# Altium PCB Scaffold.PcbDoc (part 2 of 3) (continued)
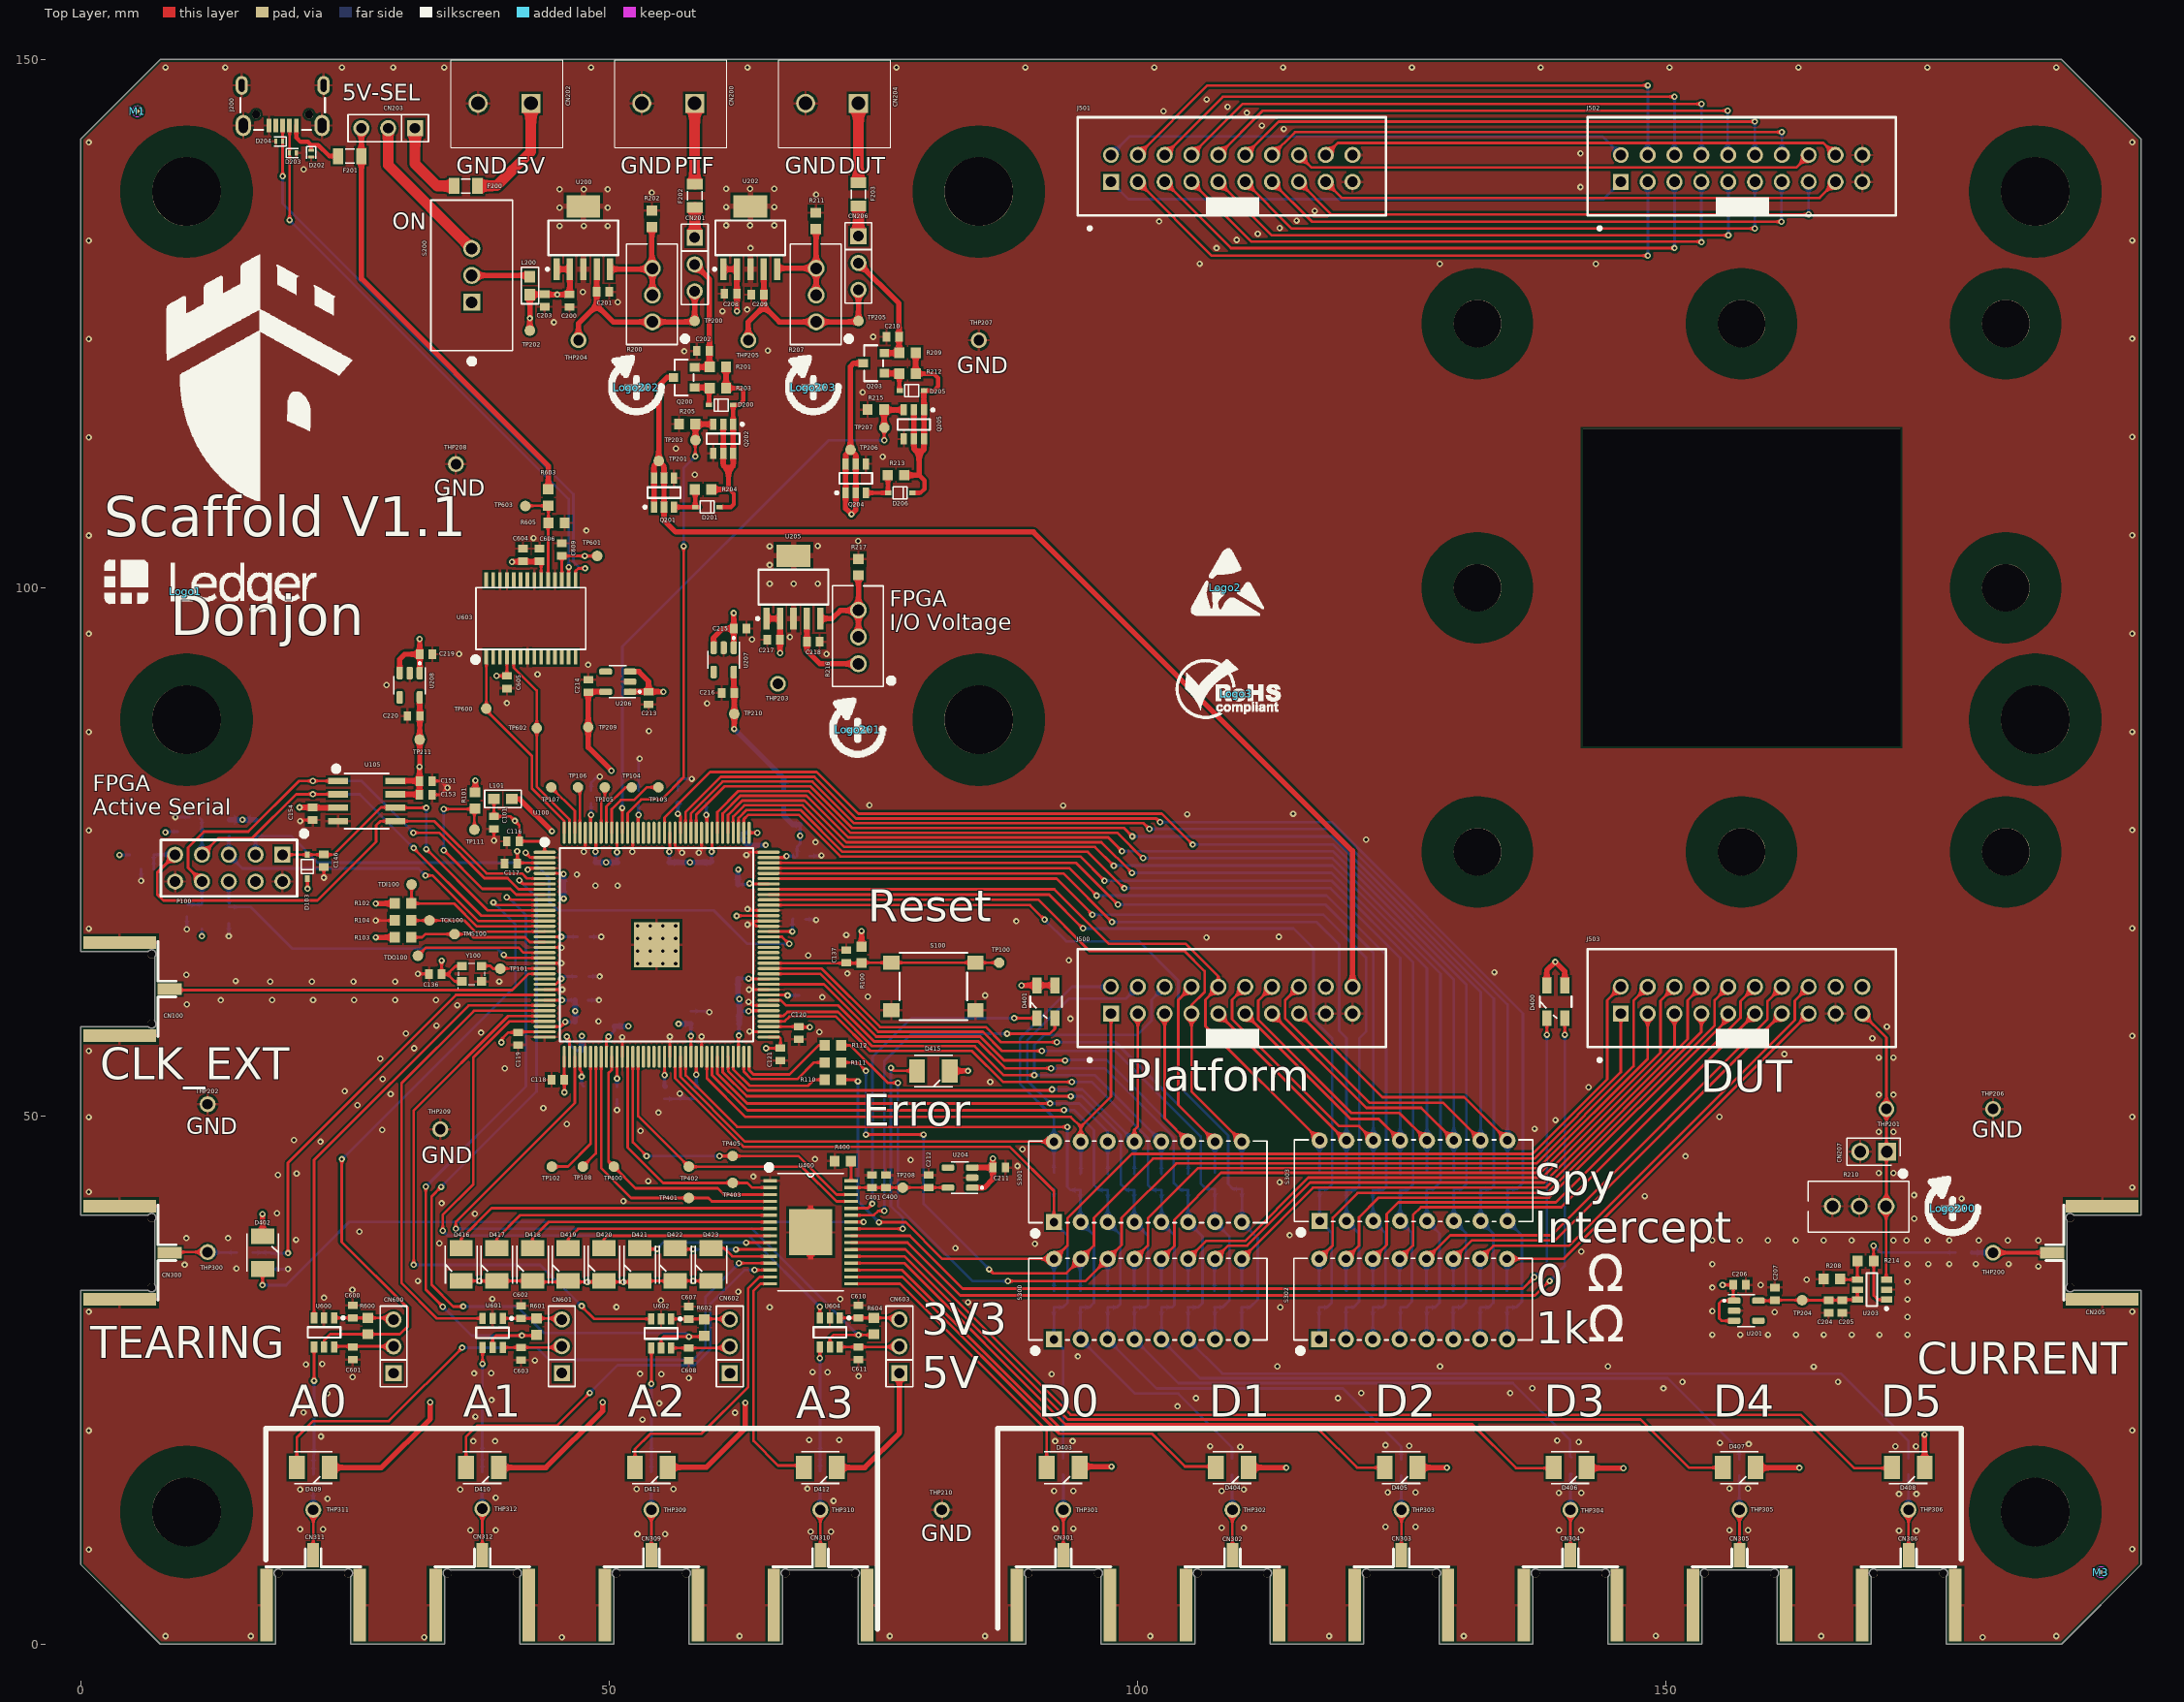
[diagram p0: Top Layer view]
## Nets (pads, with @x,y where several pads share a name; then routed paths per layer and width w, separated by ;. In a path a pad name is that pad's centre, name@x,y a point inside that pad or via, vN(x,y) a via of type N, cw(c..) or ccw(c..) an arc to the next point about the centre after c; other vN are vias at no path point) (continued)
3V3_OPA: C204.1 C205.1 C207.2 TP204.1 U201.5 U203.5 U203.6 | length 10.4
  Top Layer w0.25: U201.5@158.785,32.5 160.282,32.5 C207.2@160.335,32.553 TP204.1@162.934,32.553 162.941,32.547 C204.1@165.435,32.547 C205.1@166.735,32.547 166.788,32.6 U203.6@168.16,32.6 U203.5@168.16,33.55
ASD: C145.2 D102.1 P100.9 U100.6 U105.5 | length 51
  Top Layer w0.25: P100.9@8.92,74.72 7.231,73.031 7.231,70.969 7.8,70.4 22.4,70.4 27.95,75.95 27.95,77.5 28.345,77.895 U105.5@29.755,77.895 33.455,77.895 38.4,72.95 41.766,72.95 42.241,72.475 43.875,72.475 U100.6@43.9,72.45
  Bottom Layer w0.25: C145.2@6.897,73.35 6.9,73.353 6.9,74.693 D102.1@6.893,74.7 6.913,74.72 P100.9@8.92,74.72
CLK_25M: TP101.1 U100.23 Y100.3 | length 6.3
  Top Layer w0.25: Y100.3@37.8,64.4 38,64.2 38.75,64.2 39.025,63.925 TP101.1@39.7,63.925 39.725,63.95 U100.23@43.9,63.95
CLK_EXT: CN100.S1 U100.24 | length 36.2
  Top Layer w0.25: CN100.S1@8.411,62.01 8.521,61.9 40.85,61.9 42.4,63.45 U100.24@43.9,63.45
CONF_DONE: P100.3 R105.1 U100.92 | length 60
  Top Layer w0.25: U100.92@65.1,66.95 66.366,66.95 67.041,66.275 v1(67.05,66.275)
  Bottom Layer w0.25: P100.3@16.54,74.72 R105.1@16.54,76.475 19.9,76.475 22.4,73.975 42.875,73.975 44.325,72.525 44.325,70.275 45.15,69.45 59.9,69.45 63.075,66.275 v1(67.05,66.275)
DATA0: C143.2 D100.1 P100.7 U100.13 U105.2 | length 45.6
  Top Layer w0.25: P100.7@11.46,74.72 13.04,76.3 16.225,76.3 20.375,80.45 U105.2@24.445,80.45 ; v1(31.5,75.35) 37.9,68.95 U100.13@43.9,68.95
  Bottom Layer w0.25: C143.2@11.297,78.15 11.443,78.004 D100.1@11.443,76.9 ; D100.1@11.393,76.9 11.46,76.833 P100.7@11.46,74.72 ; v1(21.95,80.45) 26.4,80.45 v1(31.5,75.35)
DCLK: C146.2 D103.1 P100.1 U100.12 U105.6 | length 33.1
  Top Layer w0.25: P100.1@19.08,74.72 23.92,74.72 28.4,79.2 U105.6@29.855,79.2 ; U105.6@29.755,79.165 v1(32.685,79.165) ; v1(32.7,75.25) 38.5,69.45 U100.12@43.9,69.45
  Bottom Layer w0.25: v1(32.685,79.165) 32.685,75.265 v1(32.7,75.25)
DUT_D0: J503.2 R110.2 R312.2 S300.16 | length 106.8
  Top Layer w0.25: R110.2@72.254,53.425 73.4,53.425 v1(73.55,53.275) ; v1(75.55,39.925) 78.075,39.925 81.541,36.459 S300.16@92.11,36.459 93.4,37.748 93.4,40.325 99.475,46.4 137.4,46.4 144.475,53.475 144.475,60.925 J503.2@145.77,62.22
  Bottom Layer w0.25: v1(73.55,53.275) 73.55,41.925 v1(75.55,39.925) ; R312.2@92.1,33.425 92.11,33.435 S300.16@92.11,36.459
DUT_D1: J503.1 R111.2 R308.2 S300.15 | length 107.2
  Top Layer w0.25: R111.2@72.254,55.05 73.5,55.05 v1(74.3,54.25) ; v1(74.3,48.225) v1(79.775,48.225) ; v1(85.975,35.475) 86.35,35.1 93.292,35.1 S300.15@94.65,36.459 95.9,37.708 95.9,40.35 101.5,45.95 137.586,45.95 145.77,54.134 J503.1@145.77,59.68
  Bottom Layer w0.25: v1(74.3,48.225) v1(74.3,54.25) ; v1(79.775,48.225) 79.775,41.675 v1(85.975,35.475) ; R308.2@94.6,33.425 94.6,36.408 S300.15@94.65,36.459
DUT_D2: J503.4 R112.1 R306.2 S300.14 | length 111.8
  Top Layer w0.25: R112.1@72.254,56.675 72.825,56.675 76.375,53.125 v1(77.325,53.125) ; v1(87.75,34.35) 95.082,34.35 S300.14@97.19,36.459 98.5,37.768 98.5,40.325 103.675,45.5 137.773,45.5 146.975,54.702 146.975,60.885 J503.4@148.31,62.22
  Bottom Layer w0.25: v1(77.325,53.125) 77.325,41.45 84.425,34.35 v1(87.75,34.35) ; S300.14@97.19,36.459 97.19,33.435 R306.2@97.2,33.425
GND: C100.1 C101.1 C102.1 C103.1 C104.1 C105.1 C106.1 C107.1 C108.1 C109.1 C110.1 C111.1 C112.1 C113.1 C114.1 C115.1 C116.1 C117.1 C118.1 C119.1 C120.1 C121.1 C122.1 C123.1 C124.1 C125.1 C126.1 C127.1 C128.1 C129.1 C130.1 C131.1 C132.1 C133.1 C134.1 C135.1 C136.2 C137.1 C143.1 C144.1 C145.1 C146.1 C151.1 C153.1 C154.1 C200.1 C201.1 C202.1 C203.1 C204.2 C205.2 C206.1 C207.1 C208.1 C209.1 C210.1 C211.1 C212.1 C213.1 C214.1 C215.1 C216.1 C217.1 C218.1 C219.1 C220.1 C400.2 C401.2 C600.1 C601.1 C602.1 C603.1 C604.2 C605.2 C606.2 C607.1 C608.1 C609.2 C610.1 C611.1 CN100.G1 CN100.G2 CN200.2 CN202.2 CN204.2 CN205.G1 CN205.G2 CN207.2 CN300.G1 CN300.G2 CN301.G1 CN301.G2 CN302.G1 CN302.G2 CN303.G1 CN303.G2 CN304.G1 CN304.G2 CN305.G1 CN305.G2 CN306.G1 CN306.G2 CN309.G1 CN309.G2 CN310.G1 CN310.G2 CN311.G1 CN311.G2 CN312.G1 CN312.G2 D202.A D203.A D204.A J200.5 J200.Z1 J200.Z2 J200.Z3 J200.Z4 J500.17 J500.19 J501.19 J501.20 J502.19 J502.20 J503.17 P100.2 P100.10 Q201.4 Q202.4 Q204.4 Q205.4 R104.2 R108.1 R202.1 R205.1 R208.1 R210.2 R210.3 R211.1 R215.1 R217.1 R301.1 R338.1 R339.1 R348.1 R349.1 R400.2 R605.1 S100.2 S100.4 THP202.1 THP206.1 THP207.1 THP208.1 THP209.1 THP210.1 U100.2 U100.4 U100.19 U100.22 U100.27 U100.36 U100.41 U100.48 U100.57 U100.63 U100.74 U100.79 U100.82 U100.94 U100.95 U100.97 U100.108 U100.118 U100.123 U100.131 U100.140 U100.145 U105.4 U200.3 U200.6 U201.2 U202.3 U202.6 U203.2 U204.2 U205.3 U205.6 U206.2 U207.2 U208.2 U400.1 U400.33 U600.2 U601.2 U602.2 U603.7 U603.18 U603.21 U603.25 U603.26 U604.2 Y100.2 | length 71.9
  Top Layer w0.25: v1(20.75,77.906) 20.847,78.003 C154.1@21.95,78.003 ; v1(23,72.55) C146.1@23,73.553 ; v1(27.904,68.5) R104.2@29.729,68.5 ; v1(31.9,63.45) C136.2@32.953,63.45 ; C153.1@33.247,80.4 34.05,80.4 v1(34.7,81.05) 34.05,81.7 C151.1@33.247,81.7 ; v1(39.1,76.05) 39.1,75.9 C101.1@39.1,77.153 ; v1(42.1,74.9) 42.55,74.45 U100.2@43.9,74.45 ; v1(42.3,73.3) 42.3,73.2 42.55,73.45 U100.4@43.9,73.45 ; U100.27@43.9,61.95 v1(45.575,61.95) ; U100.22@43.9,64.45 v1(45.475,64.45) ; U100.19@43.925,65.925 U100.19@43.9,65.95 45.475,65.95 v1(45.5,65.925) ; v1(47.6,75) 47.75,75.15 U100.140@47.75,76.8 ; U100.48@51.25,55.6 v1(51.25,57.45) ; v1(52.2,75) 52.25,75.05 U100.131@52.25,76.8 ; U100.57@55.75,55.6 v1(55.75,57.5) ; U100.123@56.25,76.8 56.25,75.55 v1(56.9,74.9) ; v1(58.5,74.9) 58.75,75.15 U100.118@58.75,76.8 ; U100.63@58.75,55.6 v1(58.75,57.5) ; v1(63,74.7) 63.25,74.95 U100.108@65.1,74.95 ; v1@63.1,68.2 63.6,68.2 ; v1(63.1,69.575) 63.1,69.5 63.15,69.45 U100.97@65.1,69.45 ; v1(63.2,60.8) 63.475,60.525 63.488,60.525 63.563,60.45 U100.79@65.1,60.45 ; v1(63.25,61.95) U100.82@65.1,61.95 ; v1(63.3,58) 63.35,57.95 U100.74@65.1,57.95 ; U100.94@65.1,67.95 63.95,67.95 63.7,68.2 63.6,68.2 ; U100.95@65.1,68.45 63.85,68.45 63.6,68.2
  Bottom Layer w0.25: v1(5.7,72.25) 5.703,72.253 C145.1@5.703,73.35 ; v1(8.95,78.275) C143.1@10.253,78.275 ; v1(10.025,67.675) C144.1@10.025,68.828 ; v1(14,67) R108.1@14,68.225 ; R301.1@18,35.475 19.575,35.475 v1(19.6,35.5) ; C103.1@48,60.95 v1(49.05,60.95) ; C123.1@48.097,63.2 v1(49.1,63.2) ; C122.1@48.197,66.95 v1(49.25,66.95) ; C127.1@48.3,80.797 48.3,81.55 48.875,82.125 v1(49.125,82.125) ; v1(50.75,50.55) C125.1@50.75,51.553 ; C126.1@52.8,80.797 52.8,83.7 v1(52.9,83.8) ; C130.1@55.25,51.603 56.703,51.603 ; C133.1@56.5,80.797 56.5,81.675 56.725,81.9 v1(57.825,81.9) ; v1(56.7,52.1) 56.725,52.1 57.222,51.603 ; C107.1@57.75,59.897 59.297,59.897 59.5,59.694 v1(59.5,59.825) ; C131.1@58.25,51.603 57.222,51.603 ; C129.1@68.597,68.6 69.55,68.6 v1(69.6,68.55) ; C135.1@68.997,74.6 70.05,74.6 v1(70.1,74.65) ; 56.703,51.603 57.222,51.603 ; 56.703,51.603 56.731,51.575 56.756,51.6 57.225,51.6 57.222,51.603
  other v1: 32.498,0.623 45.525,0.623 180.025,0.623 8.025,0.75 16.1,0.75 62.35,0.75 76.575,0.75 85.575,0.75 101.225,0.75 118.152,0.75 130.9,0.75 164.737,0.75 186.975,0.75 149.075,0.775 0.75,8.95 194.175,8.975 52.675,10.4 55.3,10.4 69.075,10.625 71,10.625 172.1,10.725 173.75,10.725 36.875,10.775 39.275,10.775 139.925,10.775 142.025,10.775 156.05,10.775 157.8,10.775 20.75,10.875 22.925,10.875 92.225,10.925 93.95,10.925 107.975,11 110.075,11 123.5,11.1 126.325,11.1 71.25,13.55 23.35,13.75 39.275,13.85 172.1,14.2 173.75,14.2 139.9,14.3 142.025,14.3 123.7,14.35 126.325,14.35 92.125,14.5 93.95,14.5 107.975,14.5 20.75,14.625 35.9,14.625 110.075,14.625 52.6,14.675 56.1,14.675 68.775,14.7 156.05,14.725 157.8,14.725 109.75,18.675 171.75,18.7 173.7,18.7 106.9,18.725 125.75,18.75 123.5,18.825 157.875,18.925 155.15,19.05 141.775,19.125 37.15,19.2 39.2,19.2 92.225,19.2 93.875,19.2 139.75,19.25 68.95,19.325 71.775,19.325 22.725,19.65 0.75,20.2 194.175,20.225 53.15,21.25 37.35,21.525 61.925,21.9 21.075,21.925 103.8,22.5 54.75,22.775 38.875,23.1 105.55,23.275 119,23.275 23.35,23.725 121.2,23.75 135.3,23.75 149.8,24.2 137.4,24.225 151.6,24.8 166.325,24.8 57.55,25.175 25.725,25.275 73.625,25.35 54.95,25.55 91.9,25.55 52.925,25.575 37.225,25.625 38.85,25.65 70.675,25.725 69.25,25.75 164.025,26.25 113.25,26.275 128.65,26.275 144.55,26.275 21.3,26.475 22.85,26.5 42.975,26.85 94.375,27.225 154.425,29.275 157.064,29.275 159.704,29.275 162.343,29.275 164.982,29.275 167.621,29.275 170.261,29.275 172.9,29.275 172.9,30.95 160.325,31.425 0.75,31.45 194.175,31.475 154.425,31.506 65.2,31.875 113.525,31.875 50.7,31.9 83.975,32.35 54.9,32.525 172.9,32.625 71.875,32.65 38.95,32.675 23.025,32.775 62.225,33.35 25.7,33.525 154.425,33.737 159,34 172.9,34.3 31.9,34.375 163.35,34.5 14.725,35.55 185.277,35.75 9.825,35.9 154.425,35.969 172.9,35.975 174.875,35.975 176.862,35.975 179.375,35.975 182.475,35.975 142.025,37.15 82.775,37.475 90.3,37.9 33.925,37.925 154.425,38.2 157.036,38.2 159.679,38.2 162.321,38.2 164.964,38.2 167.607,38.2 171.575,38.2 172.815,38.2 174.8,38.2 176.862,38.2 179.65,38.2 182.4,38.2 185.277,38.2 20.375,38.275 9.975,38.425 13.925,38.425 114.425,38.7 26.375,39.025 173.55,40.275 37.3,40.725 18.575,40.775 34.15,41.725 51.35,41.925 178.025,42.175 148.025,42.4 173.525,42.5 0.75,42.8 194.175,43.225 113.475,43.725 53.7,43.825 63.65,44.25 18.65,44.4 20.425,44.55 170.175,44.575 171.575,44.575 88.65,45.25 78.55,45.825 69.5,45.9 151.9,46.175 89.125,46.825 22.675,47.55 20.175,47.7 170.175,48.475 171.575,48.475 52.975,48.575 28.525,48.675 137.6,48.775 46,49.225 139.575,49.6 0.75,49.875 155.1,49.9 194.175,49.9 54.675,50.3 43.775,50.725 26.175,51 170.175,52 171.575,52 29.325,52.075 24.975,52.35 142.725,52.7 86.075,53.2 28.575,53.475 40.125,54.5 28.35,55.425 170.175,55.525 171.575,55.525 161.25,55.85 0.75,56.15 31.55,56.4 169.575,57.35 194.175,57.575 30.775,57.8 37.875,57.875 69.9,57.925 170.95,58.45 33.65,58.55 49,58.95 93.675,59.2 35.625,60.475 10.025,60.55 13.25,60.95 18.105,60.975 21.985,60.975 25.865,60.975 29.745,60.975 33.625,60.975 70.175,61.225 74.5,61.275 85.6,61.4 17.913,62.7 21.857,62.7 25.801,62.7 29.745,62.7 39.6,62.725 14.65,62.775 9.975,63.35 72.55,63.475 133.8,63.6 93.515,64.725 68.85,65.175 106.54,66.875 113.4,66.95 72.45,67.125 0.75,67.725 194.175,67.75 63.1,68.1 88.55,68.425 48.7,71.8 50.8,71.8 46.95,72.85 69.525,75.9 121.65,76.15 0.75,77.028 194.175,77.053 104.725,78.55 114.75,78.6 92.975,79.375 74.65,79.4 0.75,86.331 194.175,86.356 53.775,86.425 59.275,89.05 40.325,89.075 28.925,90.775 43.225,91.8 48.025,92.7 35.8,93.725 70.575,93.725 63.525,95.1 67.125,95.325 0.75,95.634 194.175,95.659 65.2,100.375 67.475,100.375 69.75,100.375 65.2,102.15 65.2,103.925 69.75,103.95 73.575,104.4 42.85,104.7 0.75,104.937 194.175,104.962 47.85,105.4 58.125,110.7 75.9,112.4 56.325,113.175 0.75,114.241 194.175,114.266 74,118.5 57.125,122.375 65.025,122.45 0.75,123.544 194.175,123.569 75,123.75 44.775,125.125 60.725,126.175 63.075,126.325 50.825,127.025 47.525,128 128.625,130.65 143.4,130.65 105.9,130.675 63.4,132.15 107.5,132.15 0.75,132.847 194.175,132.872 109.4,132.925 111.4,133.5 113.475,134.05 45.325,134.25 47.6,134.25 49.875,134.25 61.075,134.3 63.35,134.3 65.625,134.3 102.075,134.675 115.075,134.75 116.8,135.675 45.325,135.988 49.875,135.988 61.075,136.038 65.625,136.038 69.6,137.225 54.05,137.4 45.325,137.725 47.6,137.725 49.875,137.725 61.075,137.775 63.35,137.775 65.625,137.775 141.95,137.925 21.1,139.6 141.95,141.125 0.75,142.15 194.175,142.175 113.875,143.425 111.8,143.75 110.375,144.95 102.475,145.1 108.55,145.525 106.55,146.225 8.025,149.25 13.675,149.25 24.725,149.25 29.562,149.25 34.4,149.25 48.3,149.25 63.1,149.25 77.2,149.25 89.397,149.25 101.594,149.25 113.792,149.25 125.989,149.25 138.186,149.25 150.383,149.25 162.581,149.25 174.778,149.25 186.975,149.25
  other v2: 52.7,64.4 53.9,64.4 55.1,64.4 56.3,64.4 52.7,65.6 53.9,65.6 55.1,65.6 56.3,65.6 52.7,66.8 53.9,66.8 55.1,66.8 56.3,66.8 52.7,68 53.9,68 55.1,68 56.3,68
IO0_DUT: R302.1 R312.1 R313.1 S300.1 S301.1 U100.58 | length 72.7
  Top Layer w0.25: U100.58@56.25,55.6 56.25,53.55 62.725,47.075 87.925,47.075 92.11,42.89 S301.1@92.11,39.94
  Bottom Layer w0.25: R313.1@92.1,43.075 92.1,39.95 S301.1@92.11,39.94 93.4,38.65 93.4,32.3 92.975,31.875 R312.1@92.1,31.875 92.1,28.849 S300.1@92.11,28.839 92.975,27.974 R302.1@92.975,17.575
IO1_DUT: R303.1 R308.1 R309.1 S300.2 S301.2 U100.60 | length 82.3
  Top Layer w0.25: U100.60@57.25,55.6 57.25,53.823 62.123,48.95 v1(93.375,48.95)
  Bottom Layer w0.25: v1(93.375,48.95) 93.375,43.275 93.675,42.975 R309.1@94.6,42.975 94.6,39.99 S301.2@94.65,39.94 95.9,38.69 95.9,32.3 95.475,31.875 R308.1@94.6,31.875 94.6,28.889 S300.2@94.65,28.839 99.789,23.7 103.875,23.7 108.975,18.6 R303.1@108.975,17.575
IO2_DUT: R306.1 R307.1 R310.1 S300.3 S301.3 U100.65 | length 95.6
  Top Layer w0.25: U100.65@59.75,55.6 59.75,53.854 63.086,50.518 93.025,50.518 v1(93.057,50.55)
  Bottom Layer w0.25: v1(93.057,50.55) 94,50.55 95.9,48.65 95.9,43.45 96.375,42.975 R307.1@97.2,42.975 97.2,39.95 S301.3@97.19,39.94 98.4,38.73 98.4,32.2 98.075,31.875 R306.1@97.2,31.875 97.2,28.848 S300.3@97.19,28.839 101.829,24.2 119.45,24.2 124.975,18.675 R310.1@124.975,17.475
IO3_DUT: R304.1 R305.1 R311.1 S300.4 S301.4 U100.67 | length 110.5
  Top Layer w0.25: U100.67@60.75,55.6 60.75,54.127 63.027,51.85 v1(93.7,51.85)
  Bottom Layer w0.25: v1(93.7,51.85) 94.75,51.85 98.45,48.15 98.45,43.5 98.975,42.975 R305.1@99.7,42.975 99.7,39.97 S301.4@99.73,39.94 101,38.67 101,32.1 100.775,31.875 R304.1@99.7,31.875 99.73,31.845 S300.4@99.73,28.839 103.869,24.7 135.55,24.7 140.975,19.275 140.975,17.775 R311.1@141.075,17.675
IO4_DUT: R314.1 R322.1 R323.1 S300.5 S301.5 U100.76 | length 122.5
  Top Layer w0.25: U100.76@65.1,58.95 66.616,58.95 67.066,59.4 71.468,59.4 74.718,56.15 84.35,56.15 87.3,53.2 v1(93.8,53.2)
  Bottom Layer w0.25: v1(93.8,53.2) 95.7,53.2 101,47.9 101,43.45 101.475,42.975 R323.1@102.3,42.975 102.3,39.97 S301.5@102.27,39.94 103.5,38.71 103.5,32.1 103.275,31.875 R322.1@102.3,31.875 102.3,28.868 S300.5@102.27,28.839 105.959,25.15 150.2,25.15 156.975,18.375 R314.1@156.975,17.475
IO5_DUT: R315.1 R320.1 R321.1 S300.6 S301.6 U100.80 | length 139.3
  Top Layer w0.25: U100.80@65.1,60.95 66.25,60.95 66.75,60.45 71.691,60.45 75.091,57.05 84.95,57.05 87.5,54.5 v1(91.825,54.5)
  Bottom Layer w0.25: v1(91.825,54.5) 96.9,54.5 103.45,47.95 103.45,43.65 104.125,42.975 R321.1@104.8,42.975 104.8,39.95 S301.6@104.81,39.94 106.175,38.575 106.175,32.275 105.775,31.875 R320.1@104.8,31.875 104.81,31.865 S300.6@104.81,28.839 108.049,25.6 166.6,25.6 173,19.2 R315.1@173,17.575
IO6_DUT: R318.1 R319.1 S300.7 S301.7 U100.85 | length 69.2
  Top Layer w0.25: U100.85@65.1,63.45 69.964,63.45 75.464,57.95 85.375,57.95 87.175,56.15 v1(90.95,56.15)
  Bottom Layer w0.25: v1(90.95,56.15) 97.9,56.15 106,48.05 106,43.6 106.525,43.075 R319.1@107.35,43.075 S301.7@107.35,39.94 108.725,38.565 108.725,32.525 108.075,31.875 R318.1@107.3,31.875 107.35,31.825 S300.7@107.35,28.839
IO7_DUT: R316.1 R317.1 S300.8 S301.8 U100.98 | length 80.4
  Top Layer w0.25: U100.98@65.1,69.95 89.85,69.95 v1(91.225,68.575)
  Bottom Layer w0.25: v1(91.225,68.575) 93.275,66.525 100.15,66.525 103.875,62.8 103.875,52.875 108.6,48.15 108.6,43.55 109.075,43.075 R317.1@109.9,43.075 109.9,39.95 S301.8@109.89,39.94 111.4,38.43 111.4,32.6 110.675,31.875 R316.1@109.9,31.875 109.89,31.865 S300.8@109.89,28.839
IO8_DUT: R334.1 R335.1 S302.1 S303.1 U100.100 | length 93.9
  Top Layer w0.25: U100.100@65.1,70.95 91.65,70.95 v1(94.85,67.75)
  Bottom Layer w0.25: v1(94.85,67.75) 94.875,67.725 114.8,67.725 116.675,65.85 116.675,59.1 118.45,57.325 118.45,43.55 117.975,43.075 R335.1@117.2,43.075 117.26,43.015 S303.1@117.26,40.05 118.4,38.91 118.4,32.3 117.975,31.875 R334.1@117.2,31.875 117.2,28.849 S302.1@117.21,28.839
IO9_DUT: R332.1 R333.1 S302.2 S303.2 U100.103 | length 98.4
  Top Layer w0.25: U100.103@65.1,72.45 92.35,72.45 v1(95.75,69.05)
  Bottom Layer w0.25: v1(95.75,69.05) 117.6,69.05 121.65,65 121.65,57.975 121.025,57.35 121.025,43.425 120.575,42.975 R333.1@119.8,42.975 S303.2@119.8,40.05 121,38.85 121,32.4 120.475,31.875 R332.1@119.8,31.875 119.75,31.825 S302.2@119.75,28.839
IO10_DUT: R330.1 R331.1 S302.3 S303.3 U100.105 | length 100.8
  Top Layer w0.25: U100.105@65.1,73.45 93.55,73.45 v1(96.15,70.85)
  Bottom Layer w0.25: v1(96.15,70.85) 117.9,70.85 123.55,65.2 123.55,43.3 123.225,42.975 R331.1@122.3,42.975 122.3,40.09 S303.3@122.34,40.05 123.5,38.89 123.5,32.2 123.175,31.875 R330.1@122.3,31.875 122.3,28.849 S302.3@122.29,28.839
IO11_DUT: R326.1 R327.1 S302.4 S303.4 U100.110 | length 108.7
  Top Layer w0.25: U100.110@62.725,76.825 U100.110@62.75,76.8 62.75,78.075 63.171,78.496 67.95,78.496 71.896,74.55 94.6,74.55 v1(96.9,72.25)
  Bottom Layer w0.25: v1@96.75,72.4 v1(96.9,72.25) 118.4,72.25 126.1,64.55 126.1,43.5 125.575,42.975 R327.1@124.9,42.975 124.88,42.955 S303.4@124.88,40.05 126,38.93 126,32.4 125.475,31.875 R326.1@124.9,31.875 124.9,28.909 S302.4@124.83,28.839
IO12_DUT: R350.1 R351.1 S302.5 S303.5 U100.112 | length 112.5
  Top Layer w0.25: U100.112@61.75,76.8 61.75,78.348 62.798,79.396 68.323,79.396 72.269,75.45 96,75.45 v1(97.775,73.675)
  Bottom Layer w0.25: v1@97.775,73.7 118.45,73.7 128.7,63.45 128.7,43.75 128.025,43.075 R351.1@127.4,43.075 127.4,40.07 S303.5@127.42,40.05 128.6,38.87 128.6,32.3 128.175,31.875 R350.1@127.4,31.875 127.4,28.869 S302.5@127.37,28.839
IO13_DUT: R346.1 R347.1 S302.6 S303.6 U100.114 | length 116.2
  Top Layer w0.25: U100.114@60.75,76.8 60.75,78.621 62.425,80.296 68.696,80.296 72.642,76.35 74.173,76.35 97.25,76.35 v1(98.55,75.05)
  Bottom Layer w0.25: v1(98.55,75.05) 118.525,75.05 131.15,62.425 131.15,43.55 130.675,43.075 R347.1@129.96,43.075 S303.6@129.96,40.05 131.1,38.91 131.1,32.3 130.675,31.875 R346.1@129.9,31.875 129.9,28.849 S302.6@129.91,28.839
IO14_DUT: R342.1 R343.1 S302.7 S303.7 U100.119 | length 121.4
  Top Layer w0.25: U100.119@58.25,76.8 58.25,78.5 60.946,81.196 69.068,81.196 73.014,77.25 98.725,77.25 v1(99.525,76.45)
  Bottom Layer w0.25: v1(99.525,76.45) 118.398,76.45 133.75,61.098 133.75,43.4 133.425,43.075 R343.1@132.5,43.075 S303.7@132.5,40.05 133.7,38.85 133.7,32.3 133.275,31.875 R342.1@132.5,31.875 132.45,31.825 S302.7@132.45,28.839
IO15_DUT: R340.1 R341.1 S302.8 S303.8 U100.121 | length 125.6
  Top Layer w0.25: U100.121@57.25,76.8 57.25,78.773 60.573,82.096 69.441,82.096 73.387,78.15 101.8,78.15 v1(102.15,77.8)
  Bottom Layer w0.25: v1(102.15,77.8) 118.411,77.8 136.5,59.711 136.5,43.65 135.925,43.075 R341.1@135,43.075 135.04,43.035 S303.8@135.04,40.05 136.4,38.69 136.4,32.4 135.875,31.875 R340.1@135,31.875 135,28.849 S302.8@134.99,28.839
LED0: D416.1 U400.5 | length 31.3
  Top Layer w0.25: D416.1@36,37.475 36,38.375 38.875,41.25 U400.5@65.255,41.25
LED1: D417.1 U400.6 | length 27.7
  Top Layer w0.25: D417.1@39.379,37.475 39.379,38.379 41.6,40.6 U400.6@65.255,40.6
LED2: D418.1 U400.7 | length 24.1
  Top Layer w0.25: D418.1@42.757,37.475 42.757,38.432 44.275,39.95 U400.7@65.255,39.95
LED3: D419.1 U400.8 | length 20.4
  Top Layer w0.25: D419.1@46.136,37.475 46.136,38.361 47.075,39.3 U400.8@65.255,39.3
LED4: D420.1 U400.9 | length 16.7
  Top Layer w0.25: D420.1@49.514,37.475 49.514,38.314 49.85,38.65 U400.9@65.255,38.65
LED5: D421.1 U400.10 | length 12.6
  Top Layer w0.25: D421.1@52.893,37.475 52.968,37.4 v1(54.525,37.4) ; v1(62.975,38) U400.10@65.255,38
  Bottom Layer w0.25: v1(54.525,37.4) 55.125,38 v1(62.975,38)
LED6: D422.1 U400.11 | length 9
  Top Layer w0.25: D422.1@56.271,37.475 56.371,37.375 v1(57.95,37.375) ; v1(62,37.35) U400.11@65.255,37.35
  Bottom Layer w0.25: v1(57.95,37.375) 57.975,37.35 v1(62,37.35)
LED7: D423.1 U400.12 | length 5.9
  Top Layer w0.25: D423.1@59.65,37.475 60.9,37.475 61.675,36.7 U400.12@65.255,36.7
LED8: D409.1 U400.13 | length 58.1
  Top Layer w0.25: D409.1@20.45,16.9 20.45,19.575 21.975,21.1 29.15,21.1 v1(36.1,28.05) ; v1(62.3,36.05) U400.13@65.255,36.05
  Bottom Layer w0.25: v1(36.1,28.05) 43.175,28.05 44.325,26.9 57.95,26.9 59.125,28.075 59.125,32.875 v1(62.3,36.05)
LED9: D410.1 U400.14 | length 40.5
  Top Layer w0.25: D410.1@36.45,16.9 36.45,19.6 37.5,20.65 45.05,20.65 v1(48.175,23.775) ; v1(63.775,35.4) U400.14@65.255,35.4
  Bottom Layer w0.25: v1(48.175,23.775) 50.8,26.4 58.086,26.4 59.575,27.889 59.575,32.15 62.825,35.4 v1(63.775,35.4)
LED10: D411.1 U400.15 | length 26.6
  Top Layer w0.25: D411.1@52.45,16.9 52.45,18.45 53.9,19.9 58.75,19.9 63.15,24.3 63.15,33.65 64.25,34.75 U400.15@65.255,34.75
LED11: D412.1 U400.16 | length 21.8
  Top Layer w0.25: U400.16@65.255,34.1 64.325,34.1 63.675,33.45 63.675,19.225 66,16.9 D412.1@68.45,16.9
LED12: D403.1 U400.17 | length 27.7
  Top Layer w0.25: U400.17@72.9,34.1 77.525,34.1 91.425,20.2 D403.1@91.425,16.8
LED13: D404.1 U400.18 | length 42
  Top Layer w0.25: U400.18@72.9,34.75 77.764,34.75 92.614,19.9 101.4,19.9 104.5,16.8 D404.1@107.45,16.8
LED14: D405.1 U400.19 | length 58.2
  Top Layer w0.25: U400.19@72.9,35.4 77.75,35.4 92.8,20.35 117.15,20.35 120.8,16.7 D405.1@123.4,16.7
LED15: D406.1 U400.20 | length 74.7
  Top Layer w0.25: U400.20@72.9,36.05 77.95,36.05 93.2,20.8 131.7,20.8 135.85,16.65 139.25,16.65 D406.1@139.5,16.9
LED16: D407.1 U400.21 | length 90.9
  Top Layer w0.25: U400.21@72.9,36.7 77.975,36.7 93.425,21.25 147.65,21.25 152.2,16.7 D407.1@155.425,16.7 D407.1@155.5,16.7
LED17: D408.1 U400.22 | length 107.1
  Top Layer w0.25: U400.22@72.9,37.35 78.05,37.35 93.7,21.7 162.8,21.7 167.85,16.65 171.2,16.65 D408.1@171.35,16.8
LED18: D400.4 U400.23 | length 94.2
  Top Layer w0.25: U400.23@72.9,38 78.25,38 83.25,33 137.65,33 v1(139.025,34.375) ; v1(140.464,57.675) D400.4@140.464,59.25
  Bottom Layer w0.25: v1(139.025,34.375) 140.464,35.814 v1(140.464,57.675)
LED19: D400.3 U400.24 | length 92.2
  Top Layer w0.25: U400.24@72.9,38.65 78.475,38.65 83.475,33.65 136.5,33.65 v1(137.575,34.725) ; v1(138.764,57.675) D400.3@138.764,59.25
  Bottom Layer w0.25: v1(137.575,34.725) 138.764,35.914 v1(138.764,57.675)
LED20: D415.1 U400.25 | length 23.2
  Top Layer w0.25: U400.25@72.9,39.3 v1(77.8,39.3) ; v1(76.675,54.55) 76.95,54.275 79.125,54.275 D415.1@79.15,54.25
  Bottom Layer w0.25: v1(76.675,54.55) 76.675,41.45 77.8,40.325 v1(77.8,39.3)
LED21: D402.1 U400.26 | length 62.2
  Top Layer w0.25: v1(17.2,33.975) D402.1@17.2,35.5 ; U400.26@72.9,39.95 74.15,39.95 v1(74.1,39.95)
  Bottom Layer w0.25: v1(17.2,33.975) 19.425,33.975 23.3,37.85 25.4,39.95 v1@74.15,39.95
LED22: D401.4 U400.27 | length 35.9
  Top Layer w0.25: U400.27@72.9,40.6 75.075,40.6 75.475,41 v1(76.05,41) ; v1(87.675,57.775) 91.725,57.775 92.204,58.254 D401.4@92.204,59.25
  Bottom Layer w0.25: v1(76.05,41) 76.05,55.175 78.65,57.775 v1(87.675,57.775)
LED23: D401.3 U400.28 | length 33.2
  Top Layer w0.25: U400.28@72.9,41.25 74.5,41.25 v1(74.925,41.675) ; v1(88.35,59.25) D401.3@90.504,59.25
  Bottom Layer w0.25: v1(74.925,41.675) 74.925,55.569 78.606,59.25 v1(88.35,59.25)
LED_/OE: TP402.1 U100.51 U400.29 | length 29.1
  Top Layer w0.25: U100.51@52.75,55.6 52.75,49.975 TP402.1@57.537,45.187 ; TP402.1@57.55,45.2 57.575,45.175 68.25,45.175 71.525,41.9 U400.29@72.9,41.9
LED_CLK: TP400.1 U100.46 U400.3 | length 26.6
  Top Layer w0.25: U100.46@50.25,55.6 50.25,54.35 49.95,54.05 49.95,45.7 TP400.1@50.45,45.2 52.5,43.15 60.275,43.15 60.875,42.55 U400.3@65.255,42.55
LED_LE: TP401.1 U100.44 U400.4 | length 27.9
  Top Layer w0.25: U100.44@49.25,55.6 49.25,45.05 52.075,42.225 TP401.1@57.55,42.225 59.4,42.225 59.725,41.9 U400.4@65.255,41.9
nCE: P100.6 R108.2 U100.21 | length 33.9
  Top Layer w0.25: v1(40.025,65.25) 40.325,64.95 U100.21@43.9,64.95
  Bottom Layer w0.25: P100.6@14,72.18 14,70.2 R108.2@14.05,70.15 ; R108.2@14.05,69.775 16.075,69.775 20.025,65.825 39.425,65.825 40.025,65.225 v1(40.025,65.25)
nCONFIG: P100.5 R107.1 U100.14 | length 34.3
  Top Layer w0.25: v1(32.625,72.75) 33.3,72.75 37.6,68.45 U100.14@43.9,68.45
  Bottom Layer w0.25: R107.1@14.05,76.475 14,76.425 P100.5@14,74.72 15.295,73.425 31.95,73.425 v1(32.625,72.75)
nCS: C144.2 D101.1 P100.8 U100.8 U105.1 | length 50.2
  Top Layer w0.25: P100.8@11.46,72.18 10.15,73.49 10.15,75.4 11.65,76.9 15.85,76.9 20.655,81.705 U105.1@24.345,81.705 ; v1(31.475,76.8) 33.9,76.8 38.2,72.5 40.4,72.5 41.45,71.45 U100.8@43.9,71.45
  Bottom Layer w0.25: C144.2@10.15,69.997 10.154,69.993 11.4,69.993 11.46,70.053 P100.8@11.46,72.18 ; v1(21.95,81.7) 26.575,81.7 v1(31.475,76.8)
NetC100_2: C100.2 C117.2 C119.2 C120.2 C135.2 L100.1 U100.3 U100.35 U100.75 U100.107 | length 99.3
  Top Layer w0.25: v1(39.8,56.95) 39.8,57.225 40.472,57.897 C119.2@41.4,57.897 41.453,57.95 U100.35@43.9,57.95 ; C117.2@41.297,73.9 C117.2@41.318,73.921 ; v1(41.3,75.043) 41.318,75.025 C117.2@41.318,73.921 ; U100.3@43.9,73.95 41.347,73.95 C117.2@41.318,73.921 ; U100.75@65.1,58.45 67.953,58.45 C120.2@68.053,58.55 ; U100.107@65.1,74.45 66.65,74.45 v1(66.8,74.6) ; C120.2@67.975,58.447 68.022,58.4 v1(69,58.4)
  Power w0.5: v1(41.3,75.043) 40.375,74.118 40.375,72.025 41.625,70.775 41.625,61.3 39.8,59.475 v1(39.8,56.95) 39.8,56.5 44.975,51.325 46.15,51.325 46.626,51.801 46.626,54.501 47.35,55.225 67.3,55.225 69,56.925 v1(69,58.4) 67.475,59.925 66.75,59.925 65.7,60.975 65.7,75.175 67.033,76.508 v1(68.083,76.508)
  Bottom Layer w0.25: v1(66.8,74.6) 67.453,74.6 C135.2@67.603,74.45 ; C135.2@67.803,74.6 67.803,75.503 68.083,75.783 v1(68.083,76.508) C100.2@68.083,77.575
  Bottom Layer w0.5: L100.1@66.533,79.225 66.533,78.417 67.375,77.575 C100.2@68.078,77.575
NetC101_2: C101.2 C116.2 C118.2 C121.2 C134.2 L101.1 U100.1 U100.37 U100.73 U100.109 | length 93.1
  Top Layer w0.25: L101.1@39.1,80 C101.2@39.1,78.347 40.653,78.347 v1(41.075,77.925) 41.497,77.503 C116.2@41.497,76 43.4,76 43.9,75.5 U100.1@43.9,74.95 ; U100.37@45.75,55.6 45.75,53.453 45.697,53.4 45.775,53.322 v1(45.775,52.225) ; v1(64.85,56.4) 66.2,56.4 C121.2@66.225,56.425 ; U100.73@65.1,57.45 66.1,57.45 66.225,57.325 C121.2@66.225,56.425 ; C121.2@66.225,56.422 C121.2@66.225,56.425
  Top Layer w0.254: U100.109@63.25,76.8 v1(64.025,76.8)
  Power w0.5: v1(41.075,77.925) 41.75,77.925 44.35,75.325 44.35,70.825 46.425,68.75 46.425,60.65 43.8,58.025 43.8,53.55 45.125,52.225 v1(45.775,52.225) 45.775,54.64 47.06,55.925 64.375,55.925 v1(64.85,56.4) 64.825,56.425 v1(64.825,75.625)
  Bottom Layer w0.25: C134.2@62.722,76.8 v1(64.025,76.8)
  Bottom Layer w0.5: C134.2@62.722,76.8 62.722,76.003 63.1,75.625 v1(64.825,75.625)
NetC137_2: C137.2 R100.1 S100.1 S100.3 TP100.1 U100.87 | length 23.6
  Top Layer w0.25: U100.87@65.1,64.45 R100.1@74.25,64.45 ; C137.2@72.45,64.503 72.478,64.475 R100.1@73.9,64.475 73.925,64.5 S100.1@76.725,64.5 S100.3@84.675,64.5 TP100.1@86.925,64.5